# Altium PCB host_board.PcbDoc (part 5 of 8)
Units mm, origin at the board's own origin, x right, y up, seen from the top; angles counter-clockwise.
Board outline 87.41 x 55.77 mm, 4 copper layers (Top Layer, GND, Power, Bottom Layer), stack 1.59 mm thick; 232 components, 252 nets, 1101 pads, 689 vias.
Unrouted connection lines stored in the file: 17.
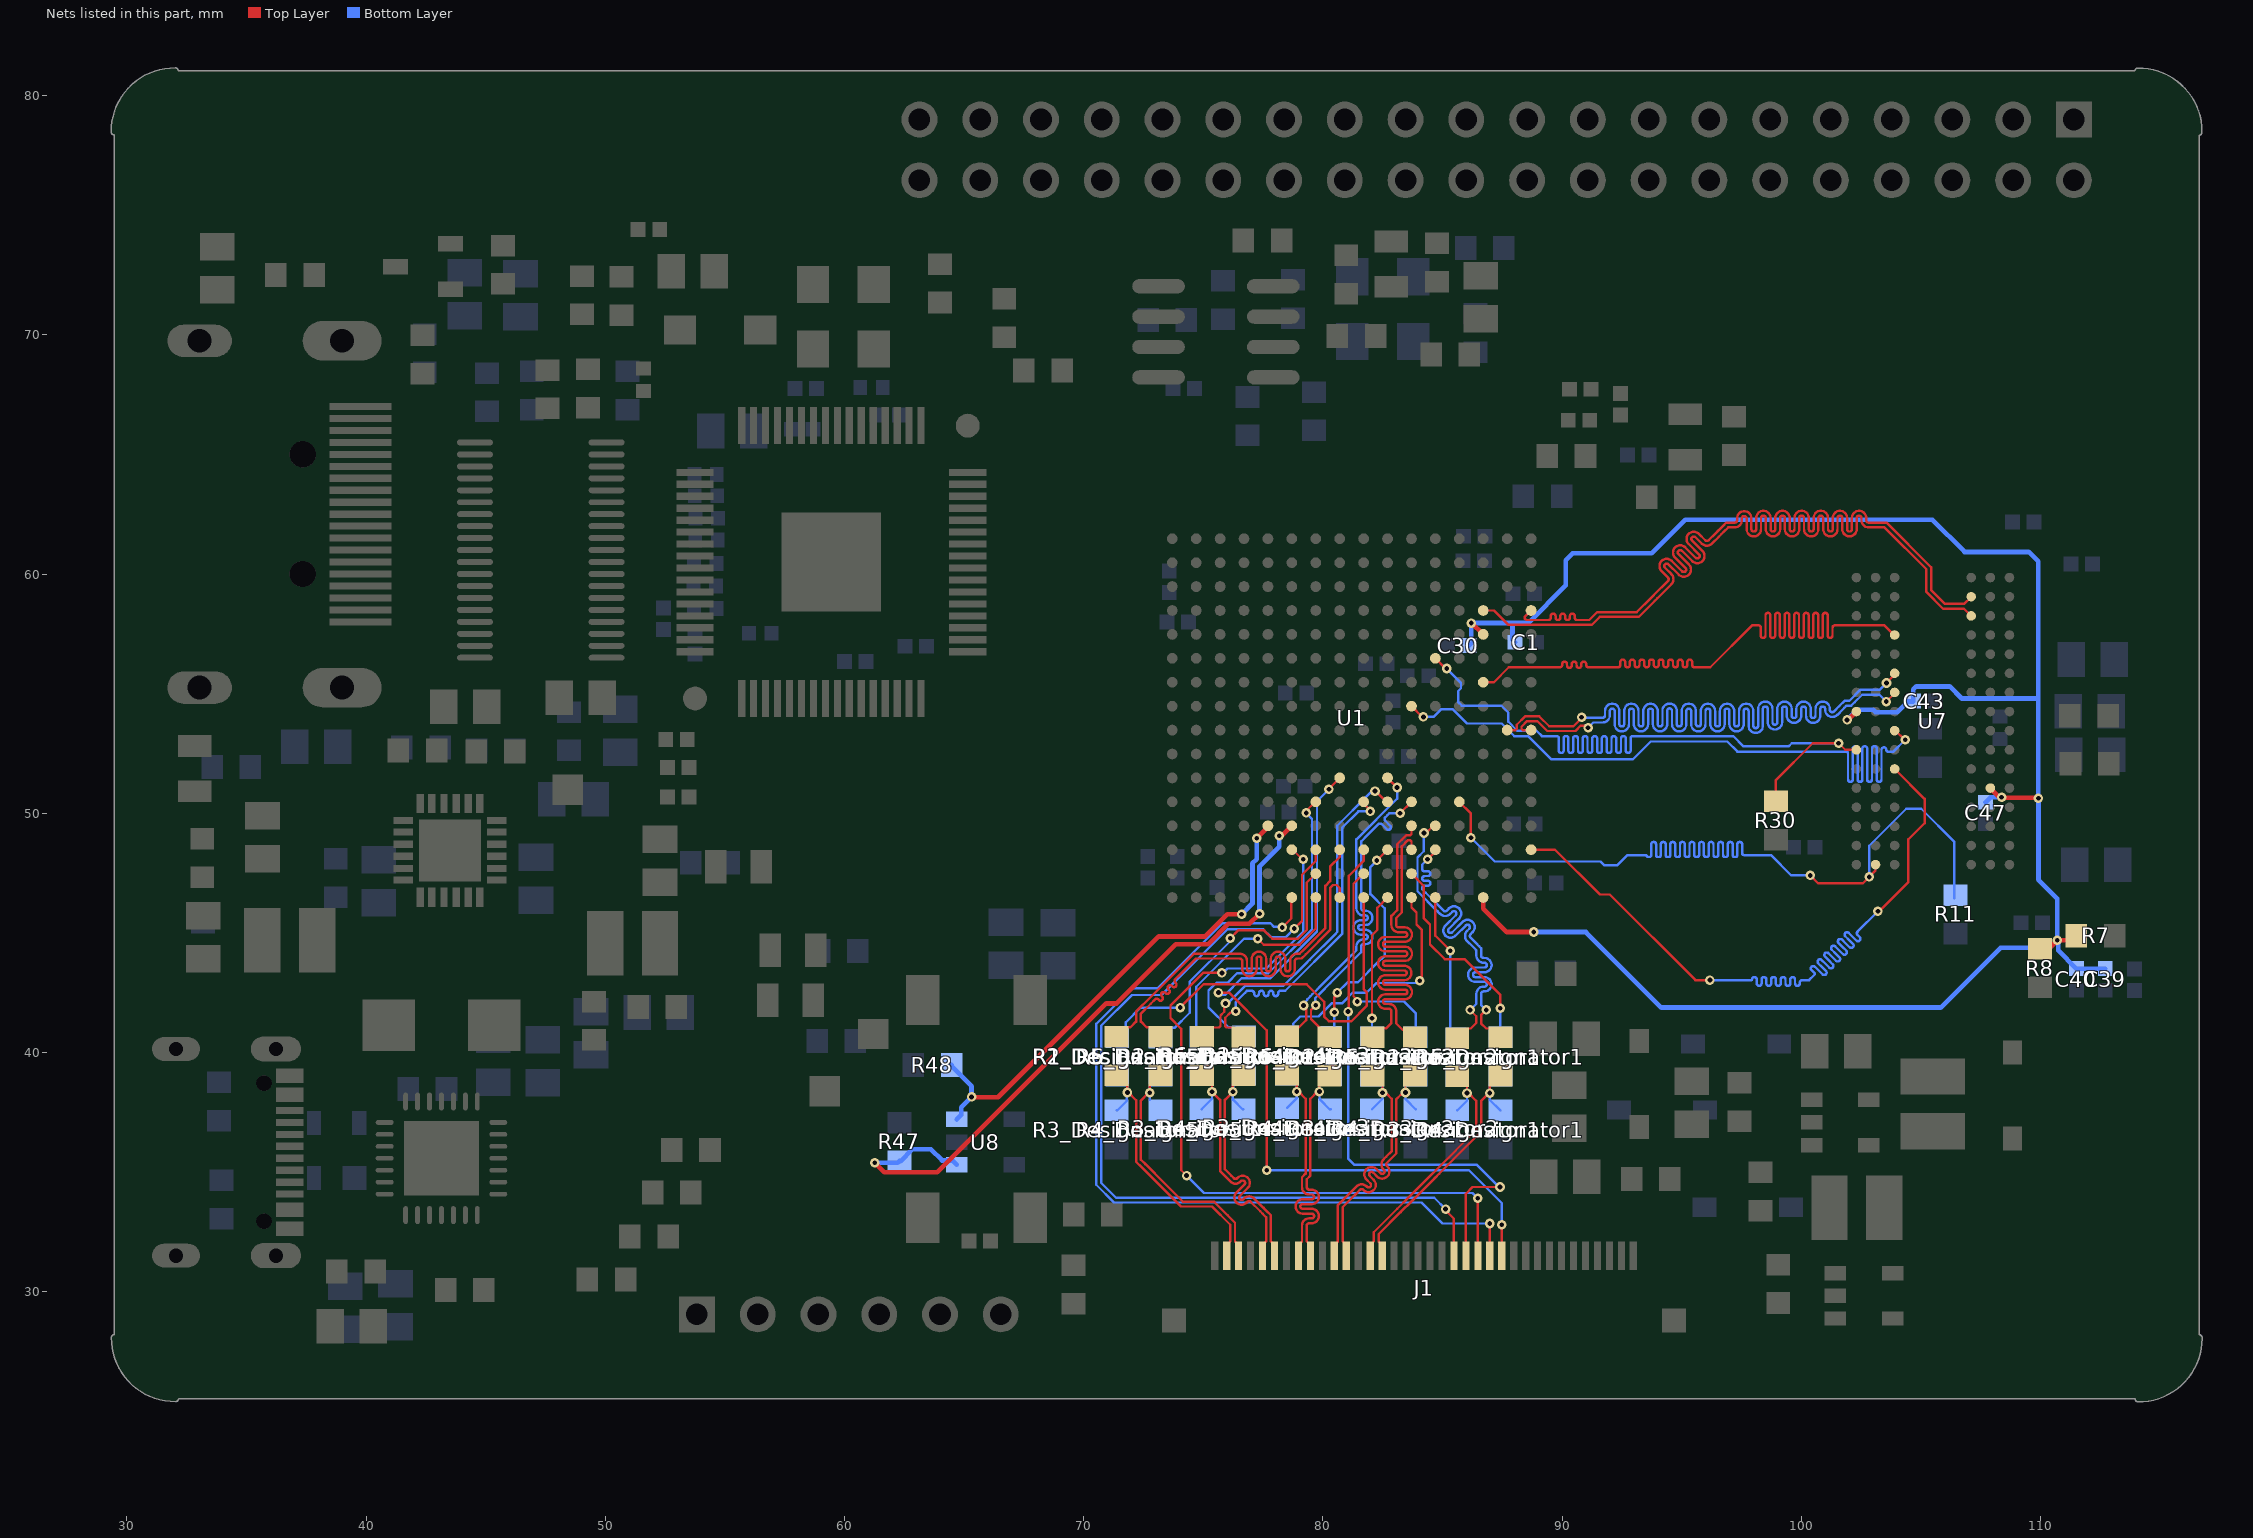
[diagram p7: the nets of this part, all layers, seen from the top]

## Via types
v1: diameter 0.4, hole 0.2, Top Layer to Bottom Layer, tented both sides, 664 vias
v2: diameter 0.5, hole 0.2, Top Layer to Bottom Layer, 9 vias
v3: diameter 0.4, hole 0.2, Top Layer to Bottom Layer, 7 vias
v4: diameter 0.4/0.4/0.4/0.4 (per signal layer), hole 0.2, Top Layer to Bottom Layer, tented both sides, 5 vias
v5: diameter 3, hole 3, Top Layer to Bottom Layer, tented both sides, 4 vias

## Nets (pads, with @x,y where several pads share a name; then routed paths per layer and width w, separated by ;. In a path a pad name is that pad's centre, name@x,y a point inside that pad or via, vN(x,y) a via of type N, cw(c..) or ccw(c..) an arc to the next point about the centre after c; other vN are vias at no path point) (continued)
DDR_DM1: U1.K3 U7.D3 | length 37.6
  Top Layer w0.1: U1.K3@86.7,55.475 87.145,55.475 87.77,56.1 88.545,56.1 89.85,56.1 89.9,56.1 ccw(c89.9,56.2) 90,56.2 90,56.236 cw(c90.1,56.236) 90.2,56.236 90.2,56.175 ccw(c90.3,56.175) 90.4,56.175 90.4,56.236 cw(c90.5,56.236) 90.6,56.236 90.6,56.175 ccw(c90.7,56.175) 90.8,56.175 90.8,56.236 cw(c90.9,56.236) 91,56.236 91,56.2 ccw(c91.1,56.2) 91.1,56.1 91.3,56.1 92.333,56.1 ccw(c92.333,56.2) 92.433,56.2 92.433,56.325 cw(c92.533,56.325) 92.533,56.425 cw(c92.533,56.325) 92.633,56.325 92.633,56.2 ccw(c92.733,56.2) 92.733,56.1 ccw(c92.733,56.2) 92.833,56.2 92.833,56.325 cw(c92.933,56.325) 92.933,56.425 cw(c92.933,56.325) 93.033,56.325 93.033,56.2 ccw(c93.133,56.2) 93.133,56.1 ccw(c93.133,56.2) 93.233,56.2 93.233,56.325 cw(c93.333,56.325) 93.333,56.425 cw(c93.333,56.325) 93.433,56.325 93.433,56.2 ccw(c93.533,56.2) 93.533,56.1 ccw(c93.533,56.2) 93.633,56.2 93.633,56.325 cw(c93.733,56.325) 93.733,56.425 cw(c93.733,56.325) 93.833,56.325 93.833,56.2 ccw(c93.933,56.2) 93.933,56.1 ccw(c93.933,56.2) 94.033,56.2 94.033,56.325 cw(c94.133,56.325) 94.133,56.425 cw(c94.133,56.325) 94.233,56.325 94.233,56.2 ccw(c94.333,56.2) 94.333,56.1 ccw(c94.333,56.2) 94.433,56.2 94.433,56.325 cw(c94.533,56.325) 94.533,56.425 cw(c94.533,56.325) 94.633,56.325 94.633,56.2 ccw(c94.733,56.2) 94.733,56.1 ccw(c94.733,56.2) 94.833,56.2 94.833,56.325 cw(c94.933,56.325) 94.933,56.425 cw(c94.933,56.325) 95.033,56.325 95.033,56.2 ccw(c95.133,56.2) 95.133,56.1 ccw(c95.133,56.2) 95.233,56.2 95.233,56.325 cw(c95.333,56.325) 95.333,56.425 cw(c95.333,56.325) 95.433,56.325 95.433,56.2 ccw(c95.533,56.2) 95.533,56.1 95.633,56.1 95.825,56.1 96.188,56.1 97.938,57.85 98.031,57.85 ; 98.031,57.85 98.225,57.85 ; 98.225,57.85 cw(c98.225,57.775) 98.3,57.775 98.3,57.425 ccw(c98.4,57.425) 98.4,57.325 ccw(c98.4,57.425) 98.5,57.425 98.5,57.85 98.5,58.275 cw(c98.6,58.275) 98.6,58.375 cw(c98.6,58.275) 98.7,58.275 98.7,57.85 98.7,57.425 ccw(c98.8,57.425) 98.8,57.325 ccw(c98.8,57.425) 98.9,57.425 98.9,57.85 98.9,58.275 cw(c99,58.275) 99,58.375 cw(c99,58.275) 99.1,58.275 99.1,57.85 99.1,57.425 ccw(c99.2,57.425) 99.2,57.325 ccw(c99.2,57.425) 99.3,57.425 99.3,57.85 99.3,58.275 cw(c99.4,58.275) 99.4,58.375 cw(c99.4,58.275) 99.5,58.275 99.5,57.85 99.5,57.425 ccw(c99.6,57.425) 99.6,57.325 ccw(c99.6,57.425) 99.7,57.425 99.7,57.85 99.7,58.275 cw(c99.8,58.275) 99.8,58.375 cw(c99.8,58.275) 99.9,58.275 99.9,57.85 99.9,57.425 ccw(c100,57.425) 100,57.325 ccw(c100,57.425) 100.1,57.425 100.1,57.85 100.1,58.275 cw(c100.2,58.275) 100.2,58.375 cw(c100.2,58.275) 100.3,58.275 100.3,57.85 100.3,57.425 ccw(c100.4,57.425) 100.4,57.325 ccw(c100.4,57.425) 100.5,57.425 100.5,57.85 100.5,58.275 cw(c100.6,58.275) 100.6,58.375 cw(c100.6,58.275) 100.7,58.275 100.7,57.85 100.7,57.425 ccw(c100.8,57.425) 100.8,57.325 ccw(c100.8,57.425) 100.9,57.425 100.9,57.85 100.9,58.275 cw(c101,58.275) 101,58.375 cw(c101,58.275) 101.1,58.275 101.1,57.85 101.1,57.425 ccw(c101.2,57.425) 101.2,57.325 ccw(c101.2,57.425) 101.3,57.425 101.3,57.75 cw(c101.4,57.75) 101.4,57.85 103.475,57.85 103.875,57.45 U7.D3@103.9,57.45
DDR_LDQS_N: U1.H1 U7.G3 | length 34.3
  Top Layer w0.1: U1.H1@88.7,53.475 88.359,53.475 88.3,53.534 88.3,53.616 88.534,53.85 88.959,53.85 89.374,53.435 90.555,53.435 90.78,53.66 90.955,53.66 91.04,53.575 v1(91.082,53.575) ; v1(103.55,54.666) 103.9,55.016 U7.G3@103.9,55.05
  Bottom Layer w0.1: v1(91.082,53.575) 91.301,53.793 91.542,53.793 91.692,53.793 ccw(c91.692,54.093) 91.992,54.093 91.992,54.275 cw(c92.092,54.275) 92.192,54.275 92.192,53.725 ccw(c92.492,53.725) 92.792,53.725 92.792,54.275 cw(c92.892,54.275) 92.992,54.275 92.992,53.725 ccw(c93.292,53.725) 93.592,53.725 93.592,54.275 cw(c93.692,54.275) 93.792,54.275 93.792,53.725 ccw(c94.092,53.725) 94.392,53.725 94.392,54.283 cw(c94.492,54.283) 94.592,54.283 94.592,53.725 ccw(c94.892,53.725) 95.192,53.725 95.192,54.275 cw(c95.292,54.275) 95.392,54.275 95.392,53.725 ccw(c95.692,53.725) 95.992,53.725 95.992,54.275 cw(c96.092,54.275) 96.192,54.275 96.192,53.725 ccw(c96.492,53.725) 96.792,53.725 96.792,54.275 cw(c96.892,54.275) 96.992,54.275 96.992,53.725 ccw(c97.292,53.725) 97.592,53.725 97.592,54.275 cw(c97.692,54.275) 97.792,54.275 97.792,53.656 ccw(c98.092,53.656) 98.392,53.656 98.392,54.361 cw(c98.492,54.361) 98.592,54.361 98.592,53.8 ccw(c98.892,53.8) 99.192,53.8 99.192,54.361 cw(c99.292,54.361) 99.392,54.361 99.392,54.078 ccw(c99.692,54.078) 99.992,54.078 99.992,54.361 cw(c100.092,54.361) 100.192,54.361 100.192,54.078 ccw(c100.492,54.078) 100.792,54.078 100.792,54.361 cw(c100.892,54.361) 100.992,54.361 100.992,54.324 ccw(c101.292,54.324) 101.505,54.112 101.72,54.327 ; 101.721,54.328 101.8,54.407 101.893,54.5 102.088,54.5 102.233,54.645 102.542,54.955 103.1,54.955 103.265,54.955 103.55,54.67 v1(103.55,54.666)
DDR_LDQS_P: U1.H2 U7.F3 | length 34.5
  Top Layer w0.1: U1.H2@87.7,53.475 88.041,53.475 88.1,53.534 88.1,53.699 88.451,54.05 89.042,54.05 89.457,53.635 90.472,53.635 90.798,53.96 v1@90.81,53.96 ; v1(90.81,54.01) v1@90.811,54.008 ; v1@103.55,55.45 103.9,55.8 U7.F3@103.9,55.85
  Bottom Layer w0.1: v1(90.81,54.01) 90.826,53.993 91.542,53.993 91.692,53.993 ccw(c91.692,54.093) 91.792,54.093 91.792,54.275 cw(c92.092,54.275) 92.392,54.275 92.392,53.725 ccw(c92.492,53.725) 92.592,53.725 92.592,54.275 cw(c92.892,54.275) 93.192,54.275 93.192,53.725 ccw(c93.292,53.725) 93.392,53.725 93.392,54.275 cw(c93.692,54.275) 93.992,54.275 93.992,53.725 ccw(c94.092,53.725) 94.192,53.725 94.192,54.283 cw(c94.492,54.283) 94.792,54.283 94.792,53.725 ccw(c94.892,53.725) 94.992,53.725 94.992,54.275 cw(c95.292,54.275) 95.592,54.275 95.592,53.725 ccw(c95.692,53.725) 95.792,53.725 95.792,54.275 cw(c96.092,54.275) 96.392,54.275 96.392,53.725 ccw(c96.492,53.725) 96.592,53.725 96.592,54.275 cw(c96.892,54.275) 97.192,54.275 97.192,53.725 ccw(c97.292,53.725) 97.392,53.725 97.392,54.275 cw(c97.692,54.275) 97.992,54.275 97.992,53.656 ccw(c98.092,53.656) 98.192,53.656 98.192,54.361 cw(c98.492,54.361) 98.792,54.361 98.792,53.8 ccw(c98.892,53.8) 98.992,53.8 98.992,54.361 cw(c99.292,54.361) 99.592,54.361 99.592,54.078 ccw(c99.692,54.078) 99.792,54.078 99.792,54.361 cw(c100.092,54.361) 100.392,54.361 100.392,54.078 ccw(c100.492,54.078) 100.592,54.078 100.592,54.361 cw(c100.892,54.361) 101.192,54.361 101.192,54.324 ccw(c101.292,54.324) 101.363,54.253 101.579,54.469 ; 101.579,54.469 101.8,54.69 101.81,54.7 102.005,54.7 102.455,55.15 102.46,55.155 103.16,55.155 103.265,55.155 103.554,55.443 v1(103.557,55.443)
DDR_ODT: R30.2 U1.L5 U7.K1 | length 34.3
  Top Layer w0.1: U1.L5@84.7,56.475 85.125,56.05 v1(85.171,56.05) ; R30.2@98.933,50.496 98.933,51.383 100.478,52.928 v1(101.555,52.928) 101.833,52.65 U7.K1@102.3,52.65
  Bottom Layer w0.1: v1(85.171,56.05) 85.771,55.45 85.771,55.221 85.65,55.1 85.65,54.65 85.8,54.5 87.45,54.5 87.75,54.2 87.75,53.825 88.125,53.45 88.925,53.45 89.15,53.225 89.56,53.225 89.66,53.225 89.76,53.225 cw(c89.76,53.125) 89.86,53.125 89.86,52.617 ccw(c89.96,52.617) 89.96,52.517 ccw(c89.96,52.617) 90.06,52.617 90.06,53.125 cw(c90.16,53.125) 90.16,53.225 cw(c90.16,53.125) 90.26,53.125 90.26,52.617 ccw(c90.36,52.617) 90.36,52.517 ccw(c90.36,52.617) 90.46,52.617 90.46,53.125 cw(c90.56,53.125) 90.56,53.225 cw(c90.56,53.125) 90.66,53.125 90.66,52.617 ccw(c90.76,52.617) 90.76,52.517 ccw(c90.76,52.617) 90.86,52.617 90.86,53.125 cw(c90.96,53.125) 90.96,53.225 cw(c90.96,53.125) 91.06,53.125 91.06,52.617 ccw(c91.16,52.617) 91.16,52.517 ccw(c91.16,52.617) 91.26,52.617 91.26,53.125 cw(c91.36,53.125) 91.36,53.225 cw(c91.36,53.125) 91.46,53.125 91.46,52.617 ccw(c91.56,52.617) 91.56,52.517 ccw(c91.56,52.617) 91.66,52.617 91.66,53.125 cw(c91.76,53.125) 91.76,53.225 cw(c91.76,53.125) 91.86,53.125 91.86,52.617 ccw(c91.96,52.617) 91.96,52.517 ccw(c91.96,52.617) 92.06,52.617 92.06,53.125 cw(c92.16,53.125) 92.16,53.225 cw(c92.16,53.125) 92.26,53.125 92.26,52.617 ccw(c92.36,52.617) 92.36,52.517 ccw(c92.36,52.617) 92.46,52.617 92.46,53.125 cw(c92.56,53.125) 92.56,53.225 cw(c92.56,53.125) 92.66,53.125 92.66,52.617 ccw(c92.76,52.617) 92.76,52.517 ccw(c92.76,52.617) 92.86,52.617 92.86,53.125 cw(c92.96,53.125) 92.96,53.225 93.25,53.225 97.15,53.225 97.583,52.792 99.461,52.792 99.596,52.928 v1(101.555,52.928)
DDR_RAS: U1.J6 U7.J3 | length 34.2
  Top Layer w0.1: U1.J6@83.7,54.475 84.15,54.025 v1(84.2,54.025) ; U7.J3@103.9,53.45 103.935,53.45 104.31,53.075 v1(104.345,53.075)
  Bottom Layer w0.1: v1(84.2,54.025) 84.625,54.025 84.95,54.35 85.421,54.35 86.021,53.75 87.475,53.75 88,53.225 88.575,53.225 89.55,52.25 92.951,52.25 93.7,52.998 96.9,52.998 97.323,52.575 101.875,52.575 cw(c101.875,52.5) 101.95,52.5 101.95,51.41 ccw(c102.05,51.41) 102.05,51.31 ccw(c102.05,51.41) 102.15,51.41 102.15,52.575 102.15,52.7 cw(c102.25,52.7) 102.25,52.8 cw(c102.25,52.7) 102.35,52.7 102.35,52.575 102.35,51.41 ccw(c102.45,51.41) 102.45,51.31 ccw(c102.45,51.41) 102.55,51.41 102.55,52.575 102.55,52.7 cw(c102.65,52.7) 102.65,52.8 cw(c102.65,52.7) 102.75,52.7 102.75,52.575 102.75,51.41 ccw(c102.85,51.41) 102.85,51.31 ccw(c102.85,51.41) 102.95,51.41 102.95,52.575 102.95,52.7 cw(c103.05,52.7) 103.05,52.8 cw(c103.05,52.7) 103.15,52.7 103.15,52.575 103.15,51.41 ccw(c103.25,51.41) 103.25,51.31 ccw(c103.25,51.41) 103.35,51.41 103.35,52.575 103.35,52.652 cw(c103.45,52.652) 103.45,52.752 cw(c103.45,52.652) 103.55,52.652 ccw(c103.627,52.652) 103.627,52.575 103.75,52.575 103.85,52.575 104.345,53.07 v1(104.345,53.075)
DDR_RESETN: R11.2 U1.E4 U7.T2 | length 39.7
  Top Layer w0.1: U1.E4@85.7,50.475 86.186,49.989 v1(86.186,48.975) ; v1(100.375,47.4) 100.7,47.075 102.575,47.075 v1(102.838,47.338) 103.1,47.6 U7.T2@103.1,47.85
  Bottom Layer w0.1: v1(86.186,48.975) 87.181,47.98 91.603,47.98 91.753,47.83 92.312,47.83 92.732,48.25 93.225,48.25 93.325,48.25 93.525,48.25 ccw(c93.605,48.25) 93.605,48.17 93.645,48.17 ccw(c93.645,48.25) 93.725,48.25 93.725,48.7 cw(c93.825,48.7) 93.825,48.8 cw(c93.825,48.7) 93.925,48.7 93.925,48.25 ccw(c94.005,48.25) 94.005,48.17 94.045,48.17 ccw(c94.045,48.25) 94.125,48.25 94.125,48.7 cw(c94.225,48.7) 94.225,48.8 cw(c94.225,48.7) 94.325,48.7 94.325,48.25 ccw(c94.405,48.25) 94.405,48.17 94.445,48.17 ccw(c94.445,48.25) 94.525,48.25 94.525,48.7 cw(c94.625,48.7) 94.625,48.8 cw(c94.625,48.7) 94.725,48.7 94.725,48.25 ccw(c94.805,48.25) 94.805,48.17 94.845,48.17 ccw(c94.845,48.25) 94.925,48.25 94.925,48.7 cw(c95.025,48.7) 95.025,48.8 cw(c95.025,48.7) 95.125,48.7 95.125,48.25 ccw(c95.205,48.25) 95.205,48.17 95.245,48.17 ccw(c95.245,48.25) 95.325,48.25 95.325,48.7 cw(c95.425,48.7) 95.425,48.8 cw(c95.425,48.7) 95.525,48.7 95.525,48.25 ccw(c95.605,48.25) 95.605,48.17 95.645,48.17 ccw(c95.645,48.25) 95.725,48.25 95.725,48.7 cw(c95.825,48.7) 95.825,48.8 cw(c95.825,48.7) 95.925,48.7 95.925,48.25 ccw(c96.005,48.25) 96.005,48.17 96.045,48.17 ccw(c96.045,48.25) 96.125,48.25 96.125,48.7 cw(c96.225,48.7) 96.225,48.8 cw(c96.225,48.7) 96.325,48.7 96.325,48.25 ccw(c96.405,48.25) 96.405,48.17 96.445,48.17 ccw(c96.445,48.25) 96.525,48.25 96.525,48.7 cw(c96.625,48.7) 96.625,48.8 cw(c96.625,48.7) 96.725,48.7 96.725,48.25 ccw(c96.805,48.25) 96.805,48.17 96.845,48.17 ccw(c96.845,48.25) 96.925,48.25 96.925,48.7 cw(c97.025,48.7) 97.025,48.8 cw(c97.025,48.7) 97.125,48.7 97.125,48.25 ccw(c97.205,48.25) 97.205,48.17 97.245,48.17 ccw(c97.245,48.25) 97.325,48.25 97.325,48.7 cw(c97.425,48.7) 97.425,48.8 cw(c97.425,48.7) 97.525,48.7 97.525,48.325 ccw(c97.6,48.325) 97.6,48.25 98.725,48.25 99.575,47.4 v1(100.375,47.4) ; v1(102.838,47.338) 102.838,48.638 104.387,50.187 105.013,50.187 106.384,48.816 R11.2@106.384,46.45
DDR_UDQS_N: U1.N1 U7.B7 | length 37.5
  Top Layer w0.1: U1.N1@88.7,58.475 88.441,58.216 88.441,58.134 88.5,58.075 89.1,58.075 89.424,58.075 ccw(c89.424,58.175) 89.524,58.175 89.524,58.244 cw(c89.624,58.244) 89.724,58.244 89.724,58.175 ccw(c89.824,58.175) 89.924,58.175 89.924,58.244 cw(c90.024,58.244) 90.124,58.244 90.124,58.175 ccw(c90.224,58.175) 90.324,58.175 90.324,58.244 cw(c90.424,58.244) 90.524,58.244 90.524,58.175 ccw(c90.624,58.175) 90.624,58.075 90.874,58.075 91.132,58.075 91.464,58.406 93.116,58.406 93.733,59.023 93.839,59.129 ; 93.84,59.13 94.422,59.712 ; 94.422,59.712 ccw(c94.352,59.784) 94.422,59.855 94.157,60.12 cw(c94.368,60.333) 94.156,60.546 cw(c94.368,60.333) 94.546,60.575 94.551,60.575 94.58,60.546 cw(c94.368,60.333) 94.581,60.545 95.013,60.113 ccw(c95.084,60.184) 95.154,60.113 ; 95.154,60.256 cw(c95.084,60.184) 95.155,60.114 ; 95.154,60.256 94.723,60.687 cw(c94.934,60.9) 94.722,61.112 cw(c94.934,60.9) 95.112,61.141 95.117,61.141 95.146,61.112 cw(c94.934,60.9) 95.147,61.112 95.579,60.679 ccw(c95.65,60.75) 95.72,60.679 ; 95.721,60.68 ccw(c95.65,60.75) 95.72,60.822 95.289,61.253 cw(c95.5,61.466) 95.288,61.678 cw(c95.5,61.466) 95.679,61.707 95.683,61.707 95.712,61.679 cw(c95.5,61.466) 95.713,61.678 95.979,61.412 ccw(c96.05,61.482) 96.122,61.412 ; 96.122,61.412 96.404,61.694 ; 96.405,61.695 96.511,61.801 96.742,62.032 96.86,62.15 97.212,62.15 ccw(c97.212,62.25) 97.312,62.25 97.312,62.322 cw(c97.612,62.322) 97.912,62.322 97.912,61.875 ccw(c98.012,61.875) 98.112,61.875 98.112,62.343 cw(c98.412,62.343) 98.712,62.343 98.712,61.875 ccw(c98.812,61.875) 98.912,61.875 98.912,62.343 cw(c99.212,62.343) 99.512,62.343 99.512,61.875 ccw(c99.612,61.875) 99.712,61.875 99.712,62.343 cw(c100.012,62.343) 100.312,62.343 100.312,61.875 ccw(c100.412,61.875) 100.512,61.875 100.512,62.343 cw(c100.812,62.343) 101.111,62.343 101.111,61.875 ccw(c101.211,61.875) 101.311,61.875 101.311,62.343 cw(c101.611,62.343) 101.911,62.343 101.911,61.875 ccw(c102.011,61.875) 102.111,61.875 102.111,62.343 cw(c102.411,62.343) 102.711,62.343 102.711,62.25 ccw(c102.811,62.25) 102.811,62.15 103.362,62.15 103.557,62.15 105.424,60.283 105.424,59.334 106.008,58.75 106.8,58.75 U7.B7@107.1,59.05
DDR_UDQS_P: U1.N3 U7.C7 | length 38
  Top Layer w0.1: U1.N3@86.7,58.475 87.15,58.475 87.75,57.875 91.238,57.875 91.569,58.206 93.199,58.206 93.874,58.882 93.98,58.987 ; 93.981,58.988 94.563,59.571 ccw(c94.352,59.784) 94.563,59.996 94.297,60.263 cw(c94.368,60.333) 94.297,60.404 ; 94.298,60.405 cw(c94.368,60.333) 94.439,60.404 94.871,59.973 ; 94.863,60.97 ccw(c94.934,60.9) 94.863,60.829 95.295,60.397 cw(c95.084,60.184) 95.296,60.396 95.325,60.367 95.325,60.362 cw(c95.084,60.184) 95.296,59.972 cw(c95.084,60.184) 94.871,59.972 ; 94.864,60.971 cw(c94.934,60.9) 95.006,60.97 95.437,60.539 ccw(c95.65,60.75) 95.862,60.538 ccw(c95.65,60.75) 95.891,60.929 95.891,60.933 95.863,60.962 ; 95.429,61.536 ccw(c95.5,61.466) 95.429,61.396 95.862,60.963 ; 95.43,61.537 cw(c95.5,61.466) 95.572,61.536 ; 95.572,61.536 95.837,61.271 ccw(c96.05,61.482) 96.263,61.27 96.545,61.553 ; 96.546,61.553 96.652,61.659 96.742,61.75 96.943,61.95 97.212,61.95 ccw(c97.212,62.25) 97.512,62.25 97.512,62.322 cw(c97.612,62.322) 97.712,62.322 97.712,61.875 ccw(c98.012,61.875) 98.312,61.875 98.312,62.343 cw(c98.412,62.343) 98.512,62.343 98.512,61.875 ccw(c98.812,61.875) 99.112,61.875 99.112,62.343 cw(c99.212,62.343) 99.312,62.343 99.312,61.875 ccw(c99.612,61.875) 99.912,61.875 99.912,62.343 cw(c100.012,62.343) 100.112,62.343 100.112,61.875 ccw(c100.412,61.875) 100.712,61.875 100.712,62.343 cw(c100.812,62.343) 100.911,62.343 100.911,61.875 ccw(c101.211,61.875) 101.511,61.875 101.511,62.343 cw(c101.611,62.343) 101.711,62.343 101.711,61.875 ccw(c102.011,61.875) 102.311,61.875 102.311,62.343 cw(c102.411,62.343) 102.511,62.343 102.511,62.25 ccw(c102.811,62.25) 102.811,61.95 103.362,61.95 103.474,61.95 105.224,60.2 105.224,59.251 105.925,58.55 106.8,58.55 U7.C7@107.1,58.25 ; 95.863,60.962 ccw(c95.65,60.75) 95.862,60.963
DDR_VREF: C1.2 C30.1 C39.1 C40.2 C43.2 C47.2 R7.1 R8.2 U1.A3 U1.M3 U7.H1 U7.M8 | length 90
  Top Layer w0.2: v1(86.2,57.95) 86.225,57.95 U1.M3@86.7,57.475 ; U1.A3@86.7,46.475 86.7,46.015 87.682,45.033 v1(88.81,45.033) ; v1(101.911,53.9) 101.95,53.9 U7.H1@102.3,54.25 ; U7.M8@107.9,51.05 108.3,50.65 109.89,50.65 v1(109.91,50.63) ; R8.2@109.975,44.327 110.338,44.327 v1(110.7,44.689) 111.312,44.689 R7.1@111.5,44.877
  Bottom Layer w0.2: C30.1@86.1,57.009 86.2,57.109 v1(86.2,57.95) 87.925,57.95 ; C1.2@88.025,57.15 87.925,57.25 87.925,57.95 ; v1(88.81,45.033) 90.992,45.033 94.15,41.875 105.825,41.875 108.325,44.375 110.386,44.375 v1(110.7,44.689) ; v1(101.911,53.9) 102.336,54.325 103,54.325 103.1,54.225 103.999,54.225 104.44,54.666 104.675,54.666 104.675,55.175 104.8,55.3 106.204,55.3 106.714,54.79 109.9,54.79 ; C47.2@107.7,50.461 107.909,50.67 v1(108.37,50.67) ; C39.1@112.7,43.502 C40.2@111.5,43.502 110.738,44.264 110.738,44.651 v1(110.7,44.689) ; 87.925,57.95 88.575,57.95 90.15,59.525 90.15,60.579 90.437,60.866 93.741,60.866 95.145,62.27 105.48,62.27 106.825,60.925 109.5,60.925 109.9,60.525 109.9,54.79 ; 109.9,54.79 109.9,50.64 v1(109.91,50.63) 109.91,47.22 110.7,46.43 v1(110.7,44.689)
DDR_WE: U1.C1 U7.L3 | length 34.7
  Top Layer w0.1: U1.C1@88.7,48.475 89.7,48.475 91.575,46.6 91.992,46.6 95.567,43.025 v1(96.175,43.025) ; v1(103.2,45.9) 103.225,45.875 104.475,47.125 104.475,48.909 105.15,49.584 105.15,50.6 U7.L3@103.9,51.85
  Bottom Layer w0.1: v1(96.175,43.025) 97.835,43.025 97.91,43.025 ccw(c97.91,43.05) 97.935,43.05 cw(c98.035,43.05) 98.035,43.15 cw(c98.035,43.05) 98.135,43.05 98.135,43.025 98.135,42.884 ccw(c98.235,42.884) 98.235,42.784 ccw(c98.235,42.884) 98.335,42.884 98.335,43.025 98.335,43.05 cw(c98.435,43.05) 98.435,43.15 cw(c98.435,43.05) 98.535,43.05 98.535,43.025 98.535,42.884 ccw(c98.635,42.884) 98.635,42.784 ccw(c98.635,42.884) 98.735,42.884 98.735,43.025 98.735,43.05 cw(c98.835,43.05) 98.835,43.15 cw(c98.835,43.05) 98.935,43.05 98.935,43.025 98.935,42.884 ccw(c99.035,42.884) 99.035,42.784 ccw(c99.035,42.884) 99.135,42.884 99.135,43.025 99.135,43.05 cw(c99.235,43.05) 99.235,43.15 cw(c99.235,43.05) 99.335,43.05 99.335,43.025 99.335,42.884 ccw(c99.435,42.884) 99.435,42.784 ccw(c99.435,42.884) 99.535,42.884 99.535,43.025 99.535,43.05 cw(c99.635,43.05) 99.635,43.15 cw(c99.635,43.05) 99.735,43.05 99.735,43.025 99.735,42.884 ccw(c99.835,42.884) 99.835,42.784 ccw(c99.835,42.884) 99.935,42.884 99.935,42.925 cw(c100.035,42.925) 100.035,43.025 100.05,43.025 100.325,43.025 100.55,43.25 ccw(c100.518,43.282) 100.55,43.314 100.423,43.441 cw(c100.494,43.512) 100.423,43.583 cw(c100.494,43.512) 100.565,43.583 100.724,43.424 100.883,43.265 ccw(c100.953,43.335) 101.024,43.265 ccw(c100.953,43.335) 101.024,43.406 100.865,43.565 100.706,43.724 cw(c100.777,43.795) 100.706,43.866 cw(c100.777,43.795) 100.847,43.866 101.006,43.706 101.166,43.547 ccw(c101.236,43.618) 101.307,43.547 ccw(c101.236,43.618) 101.307,43.689 101.148,43.848 100.989,44.007 cw(c101.06,44.078) 100.989,44.148 cw(c101.06,44.078) 101.13,44.148 101.289,43.989 101.448,43.83 ccw(c101.519,43.901) 101.59,43.83 ccw(c101.519,43.901) 101.59,43.972 101.431,44.131 101.272,44.29 cw(c101.342,44.361) 101.272,44.431 cw(c101.342,44.361) 101.413,44.431 101.572,44.272 101.731,44.113 ccw(c101.802,44.184) 101.873,44.113 ccw(c101.802,44.184) 101.873,44.255 101.714,44.414 101.555,44.573 cw(c101.625,44.643) 101.555,44.714 cw(c101.625,44.643) 101.696,44.714 101.855,44.555 102.014,44.396 ccw(c102.085,44.467) 102.156,44.396 ccw(c102.085,44.467) 102.156,44.537 101.996,44.696 101.837,44.856 cw(c101.908,44.926) 101.837,44.997 cw(c101.908,44.926) 101.979,44.997 102.138,44.838 102.297,44.679 ccw(c102.368,44.749) 102.438,44.679 ccw(c102.368,44.749) 102.438,44.82 102.35,44.909 cw(c102.421,44.979) 102.35,45.05 v1(103.2,45.9)
DPHY_0_N: J1.3 R4_Designator5.1 R5_Designator5.2 R6_Designator5.2 | length 11.6
  Top Layer w0.1: R5_Designator5.2@73.2,39.05 73.155,39.05 72.755,38.65 v1(72.755,38.313) 72.713,38.313 72.39,37.99 72.39,37.76 72.39,37.51 72.39,35.514 72.575,35.33 73.385,34.52 73.574,34.33 74.147,33.758 75.448,33.758 76.015,33.191 76.085,33.121 76.325,32.881 76.325,32.1 76.475,31.95 J1.3@76.475,31.5
  Bottom Layer w0.1: R4_Designator5.1@72.755,38.02 v1(72.755,38.313) 72.755,38.555 R6_Designator5.2@73.225,39.025
DPHY_0_P: J1.2 R1_Designator5.1 R2_Designator5.2 R3_Designator5.2 | length 12.2
  Top Layer w0.1: R2_Designator5.2@71.375,39.05 71.425,39.05 71.825,38.65 v1(71.825,38.325) 71.865,38.325 72.19,38 72.19,37.71 72.19,37.425 72.19,35.431 72.433,35.188 73.243,34.378 73.433,34.189 74.064,33.558 75.365,33.558 76.125,32.798 76.125,32.1 75.975,31.95 J1.2@75.975,31.5
  Bottom Layer w0.1: R3_Designator5.2@71.375,37.575 71.399,37.575 71.799,37.975 71.799,38.325 71.825,38.351 71.825,38.625 71.425,39.025 R1_Designator5.1@71.4,39.025
DPHY_1_N: J1.6 R4_Designator4.1 R5_Designator4.2 R6_Designator4.2 | length 11.9
  Top Layer w0.1: 76.416,34.744 cw(c76.345,34.814) 76.274,34.744 76.168,34.85 75.899,35.119 75.899,37.51 75.899,37.79 75.899,38.015 v1(76.236,38.351) 76.236,38.64 76.636,39.04 R5_Designator4.2@76.675,39.04 ; 76.416,34.744 76.431,34.759 cw(c76.644,34.548) 76.856,34.76 cw(c76.644,34.548) 76.856,34.335 76.526,34.005 ccw(c76.597,33.935) 76.526,33.865 ; 76.527,33.864 ccw(c76.597,33.935) 76.669,33.865 76.698,33.894 cw(c76.911,33.683) 77.123,33.894 77.518,33.5 ; 77.519,33.499 77.624,33.393 77.824,33.193 ; 77.825,33.193 77.825,32.1 77.975,31.95 J1.6@77.975,31.5
  Bottom Layer w0.1: R4_Designator4.1@76.675,37.625 76.636,37.625 76.236,38.025 76.236,38.262 76.325,38.351 76.253,38.424 76.253,38.675 76.653,39.075 R6_Designator4.2@76.7,39.075
DPHY_1_P: J1.5 R1_Designator4.1 R2_Designator4.2 R3_Designator4.2 | length 11.7
  Top Layer w0.1: R2_Designator4.2@74.95,39.05 74.962,39.05 75.362,38.65 v1(75.362,38.351) 75.699,38.015 75.699,37.85 75.699,37.51 75.699,37.425 75.699,35.036 76.027,34.708 76.132,34.603 ccw(c76.345,34.814) 76.558,34.603 76.574,34.619 cw(c76.644,34.548) 76.714,34.619 ; 76.386,34.148 ccw(c76.597,33.935) 76.385,33.723 ccw(c76.597,33.935) 76.81,33.724 76.839,33.753 ; 76.386,34.148 76.714,34.476 ccw(c76.644,34.548) 76.715,34.618 ; 76.84,33.753 cw(c76.911,33.683) 76.982,33.753 77.377,33.358 ; 77.377,33.358 77.483,33.252 77.625,33.11 77.625,32.1 77.475,31.95 J1.5@77.475,31.5
  Bottom Layer w0.1: R3_Designator4.2@74.925,37.625 75.362,38.062 v1(75.362,38.351) 75.362,38.613 R1_Designator4.1@74.925,39.05
DPHY_2_N: J1.9 R4_Designator3.1 R5_Designator3.2 R6_Designator3.2 | length 11.8
  Top Layer w0.1: J1.9@79.475,31.5 79.475,31.95 79.325,32.1 79.325,32.355 79.325,32.761 cw(c79.425,32.761) 79.425,32.861 79.529,32.861 ccw(c79.529,33.161) 79.529,33.461 79.154,33.461 cw(c79.154,33.561) 79.154,33.661 79.529,33.661 ccw(c79.529,33.961) 79.529,34.261 79.425,34.261 cw(c79.425,34.361) 79.325,34.361 79.325,34.511 79.325,34.701 79.475,34.851 79.475,37.5 79.475,37.81 79.475,38.065 79.772,38.362 v1(79.85,38.362) 79.85,38.625 80.25,39.025 R5_Designator3.2@80.275,39.025
  Bottom Layer w0.1: R6_Designator3.2@80.3,39.05 80.25,39.05 79.85,38.65 v1(79.85,38.362) 79.854,38.359 79.854,38.096 79.875,38.075 79.875,38.025 80.275,37.625 R4_Designator3.1@80.325,37.625
DPHY_2_P: J1.8 R1_Designator3.1 R2_Designator3.2 R3_Designator3.2 | length 11.7
  Top Layer w0.1: R2_Designator3.2@78.5,39.075 78.9,38.675 v1(78.9,38.362) 78.975,38.362 79.275,38.062 79.275,37.87 79.275,37.57 79.275,34.934 79.125,34.784 79.125,34.511 79.125,34.361 ccw(c79.425,34.361) 79.425,34.061 79.529,34.061 cw(c79.529,33.961) 79.529,33.861 79.154,33.861 ccw(c79.154,33.561) 79.154,33.261 79.529,33.261 cw(c79.529,33.161) 79.529,33.061 79.425,33.061 ccw(c79.425,32.761) 79.125,32.761 79.125,32.355 79.125,32.1 78.975,31.95 J1.8@78.975,31.5
  Bottom Layer w0.1: R3_Designator3.2@78.495,37.675 78.5,37.675 78.9,38.075 v1(78.9,38.362) 78.9,38.675 R1_Designator3.1@78.5,39.075
DPHY_3_N: J1.12 R4_Designator2.1 R5_Designator2.2 R6_Designator2.2 | length 12.1
  Top Layer w0.1: J1.12@80.975,31.5 80.975,31.95 80.825,32.1 80.825,33.538 81.248,33.961 81.353,34.067 ; 81.354,34.067 81.544,34.257 cw(c81.615,34.187) 81.687,34.258 81.697,34.247 ccw(c81.91,34.459) 82.122,34.246 ccw(c81.91,34.459) 82.121,34.671 81.959,34.834 ; 81.958,34.834 cw(c82.029,34.905) 81.958,34.976 cw(c82.029,34.905) 82.099,34.976 ; 82.1,34.975 82.263,34.813 ccw(c82.475,35.024) 82.688,34.812 ccw(c82.475,35.024) 82.687,35.237 82.677,35.247 cw(c82.747,35.319) 82.676,35.389 ; 82.677,35.39 82.782,35.495 83.069,35.782 83.069,37.14 83.069,37.82 83.069,38.047 83.251,38.229 83.273,38.229 83.369,38.325 v1(83.45,38.325) 83.45,38.625 R5_Designator2.2@83.85,39.025
  Bottom Layer w0.1: R4_Designator2.1@83.875,37.625 83.45,38.05 v1(83.45,38.325) 83.45,38.6 R6_Designator2.2@83.875,39.025
DPHY_3_P: J1.11 R1_Designator2.1 R2_Designator2.2 R3_Designator2.2 | length 12.1
  Top Layer w0.1: J1.11@80.475,31.5 80.475,31.95 80.625,32.1 80.625,33.621 81.106,34.102 81.212,34.208 ; 81.213,34.209 81.403,34.399 cw(c81.615,34.187) 81.828,34.399 81.838,34.388 ; 81.839,34.388 ccw(c81.91,34.459) 81.98,34.388 ; 81.98,34.53 81.817,34.693 cw(c82.029,34.905) 81.817,35.117 cw(c82.029,34.905) 82.241,35.117 82.404,34.954 ccw(c82.475,35.024) 82.546,34.953 ; 81.981,34.388 ccw(c81.91,34.459) 81.98,34.529 ; R2_Designator2.2@82.075,39.025 82.088,39.025 82.488,38.625 v1(82.488,38.313) 82.545,38.255 82.675,38.255 82.869,38.061 82.869,37.67 82.869,37.02 82.869,35.865 82.641,35.637 82.535,35.531 ccw(c82.747,35.319) 82.535,35.106 82.545,35.096 ; 82.546,34.954 ccw(c82.475,35.024) 82.546,35.095
  Bottom Layer w0.1: R3_Designator2.2@82.05,37.625 82.488,38.063 v1(82.488,38.313) 82.488,38.587 R1_Designator2.1@82.05,39.025
DPHY_4_N: J1.15 R4_Designator1.1 R5_Designator1.2 R6_Designator1.2 | length 11.6
  Top Layer w0.1: J1.15@82.475,31.5 82.475,31.95 82.325,32.1 82.325,32.399 83.248,33.322 83.72,33.794 84.681,34.755 84.86,34.934 86.61,36.684 86.61,37.21 86.61,37.66 86.61,37.976 86.934,38.3 v1(86.975,38.3) 86.975,38.625 87.375,39.025 R5_Designator1.2@87.415,39.025
  Bottom Layer w0.1: R4_Designator1.1@87.415,37.575 86.975,38.015 v1(86.975,38.3) 86.975,38.585 R6_Designator1.2@87.415,39.025
DPHY_4_P: J1.14 R1_Designator1.1 R2_Designator1.2 R3_Designator1.2 | length 11.5
  Top Layer w0.1: J1.14@81.975,31.5 81.975,31.95 82.125,32.1 82.125,32.482 83.107,33.463 83.578,33.935 84.539,34.896 84.719,35.076 86.41,36.767 86.41,37.19 86.41,37.67 86.41,37.976 86.086,38.3 v1(86.021,38.3) 86.021,38.6 85.621,39 R2_Designator1.2@85.615,39
  Bottom Layer w0.1: R3_Designator1.2@85.615,37.575 86.021,37.981 v1(86.021,38.3) 86.021,38.594 R1_Designator1.1@85.615,39
DPHY_HS0_N: R5_Designator5.1 U1.A9 | length 18.1
  Top Layer w0.1: R5_Designator5.1@73.2,40.65 72.8,41.05 72.625,41.05 72.387,41.288 72.387,41.625 72.8,42.038 72.977,42.214 cw(c73.047,42.144) 73.118,42.214 73.141,42.192 ccw(c73.212,42.262) 73.282,42.192 ccw(c73.212,42.262) 73.282,42.333 73.26,42.356 cw(c73.33,42.426) 73.26,42.497 cw(c73.33,42.426) 73.401,42.497 73.424,42.474 ccw(c73.495,42.545) 73.565,42.474 ccw(c73.495,42.545) 73.565,42.616 73.542,42.639 cw(c73.613,42.709) 73.542,42.78 cw(c73.613,42.709) 73.684,42.78 73.707,42.757 ccw(c73.777,42.828) 73.848,42.757 ccw(c73.777,42.828) 73.848,42.899 73.825,42.921 cw(c73.896,42.992) 73.825,43.063 74.001,43.238 74.687,43.925 75.975,43.925 76.525,43.925 cw(c76.525,43.825) 76.625,43.825 76.625,43.485 ccw(c76.925,43.485) 77.225,43.485 77.225,43.912 cw(c77.325,43.912) 77.425,43.912 77.425,43.485 ccw(c77.725,43.485) 78.025,43.485 78.025,43.912 cw(c78.125,43.912) 78.225,43.912 78.225,43.485 ccw(c78.525,43.485) 78.825,43.485 78.825,43.825 cw(c78.925,43.825) 78.925,43.925 79.108,43.925 79.289,44.106 80.3,45.117 80.3,46.875 80.425,47 80.575,47 80.7,46.875 U1.A9@80.7,46.475
DPHY_HS0_P: R2_Designator5.1 U1.C9 | length 18.1
  Top Layer w0.1: R2_Designator5.1@71.375,40.65 71.775,41.05 71.95,41.05 72.187,41.287 72.187,41.708 72.435,41.955 72.58,42.1 74.605,44.125 75.975,44.125 76.525,44.125 cw(c76.525,43.825) 76.825,43.825 76.825,43.485 ccw(c76.925,43.485) 77.025,43.485 77.025,43.912 cw(c77.325,43.912) 77.625,43.912 77.625,43.485 ccw(c77.725,43.485) 77.825,43.485 77.825,43.912 cw(c78.125,43.912) 78.425,43.912 78.425,43.485 ccw(c78.525,43.485) 78.625,43.485 78.625,43.825 cw(c78.925,43.825) 78.925,44.125 79.025,44.125 79.162,44.262 80.1,45.2 80.1,45.812 80.1,46.96 80.3,47.16 80.3,47.775 80.7,48.175 U1.C9@80.7,48.475
DPHY_HS1_N: R5_Designator4.1 U1.E8 | length 15
  Top Layer w0.1: v1(76.35,41.725) 76.293,41.668 76.132,41.668 75.915,41.45 75.915,41.099 75.973,41.04 76.275,41.04 R5_Designator4.1@76.675,40.64 ; U1.E8@81.7,50.475 81.7,50.412 81.975,50.137 v1(81.975,50.075)
  Bottom Layer w0.1: v1@76.35,41.775 76.35,42.1 76.75,42.5 76.821,42.571 76.825,42.575 76.925,42.575 77.025,42.575 cw(c77.025,42.475) 77.125,42.475 77.125,42.453 ccw(c77.225,42.453) 77.225,42.353 ccw(c77.225,42.453) 77.325,42.453 77.325,42.475 cw(c77.425,42.475) 77.425,42.575 cw(c77.425,42.475) 77.525,42.475 77.525,42.453 ccw(c77.625,42.453) 77.625,42.353 ccw(c77.625,42.453) 77.725,42.453 77.725,42.475 cw(c77.825,42.475) 77.825,42.575 cw(c77.825,42.475) 77.925,42.475 77.925,42.453 ccw(c78.025,42.453) 78.025,42.353 ccw(c78.025,42.453) 78.125,42.453 78.125,42.475 cw(c78.225,42.475) 78.225,42.575 78.25,42.575 78.425,42.575 80.8,44.95 80.8,49.395 81.48,50.075 v1(81.975,50.075)
DPHY_HS1_P: R2_Designator4.1 U1.E7 | length 15.1
  Top Layer w0.1: R2_Designator4.1@74.95,40.65 75.34,41.04 75.656,41.04 75.715,41.099 75.715,41.54 75.873,41.698 v1@75.873,42 ; v1(82.175,50.925) 82.2,50.925 82.65,50.475 U1.E7@82.7,50.475
  Bottom Layer w0.1: v1@75.971,42.004 76.742,42.775 78.342,42.775 79.291,43.724 79.444,43.876 80.524,44.956 80.6,45.033 80.6,49.478 81.84,50.718 81.99,50.868 82.118,50.868 v1(82.175,50.925)
  other v1: 75.925,42.05
DPHY_HS2_N: R5_Designator3.1 U1.E6 | length 14.3
  Top Layer w0.1: v1(79.7,41.975) 79.498,41.773 79.498,41.402 R5_Designator3.1@80.275,40.625 ; v1(83.225,50) U1.E6@83.7,50.475
  Bottom Layer w0.1: v1@79.7,42.1 79.688,42.1 79.674,42.114 79.674,42.266 79.899,42.491 80.303,42.895 81.162,43.754 81.599,44.191 81.599,44.427 cw(c81.699,44.427) 81.699,44.527 81.768,44.527 ccw(c81.768,44.827) 81.768,45.127 81.575,45.127 cw(c81.575,45.227) 81.575,45.327 81.768,45.327 ccw(c81.768,45.627) 81.768,45.927 81.699,45.927 cw(c81.699,46.027) 81.599,46.027 81.599,46.177 81.599,48.824 81.858,49.083 82.318,49.543 cw(c82.389,49.472) 82.459,49.543 82.666,49.336 ccw(c82.737,49.407) 82.807,49.336 ccw(c82.737,49.407) 82.807,49.478 82.601,49.684 cw(c82.671,49.755) 82.601,49.826 82.715,49.94 82.775,50 v1(83.225,50)
DPHY_HS2_P: R2_Designator3.1 U1.F7 | length 14.5
  Top Layer w0.1: R2_Designator3.1@78.5,40.675 78.625,40.675 79.298,41.348 79.298,41.856 v1(79.191,41.962) ; U1.F7@82.7,51.475 v1(83.1,51.075)
  Bottom Layer w0.1: v1(79.191,41.962) 79.191,42.043 79.341,42.193 79.341,42.216 79.474,42.349 79.555,42.43 79.782,42.658 79.859,42.734 80.99,43.865 81.399,44.274 81.399,44.427 cw(c81.699,44.427) 81.699,44.727 81.768,44.727 ccw(c81.768,44.827) 81.768,44.927 81.575,44.927 cw(c81.575,45.227) 81.575,45.527 81.768,45.527 ccw(c81.768,45.627) 81.768,45.727 81.699,45.727 cw(c81.699,46.027) 81.399,46.027 81.399,46.177 81.399,48.907 83.1,50.608 v1(83.1,51.075)
DPHY_HS3_N: R5_Designator2.1 U1.C6 | length 17.5
  Top Layer w0.1: U1.C6@83.7,48.475 83.7,48.816 83.641,48.875 83.559,48.875 83.3,48.616 83.3,45.859 83.063,45.621 83.063,45.475 83.063,45.325 ccw(c83.163,45.325) 83.163,45.225 83.422,45.225 cw(c83.422,44.925) 83.422,44.625 82.608,44.625 ccw(c82.608,44.525) 82.608,44.425 83.422,44.425 cw(c83.422,44.125) 83.422,43.825 82.608,43.825 ccw(c82.608,43.725) 82.608,43.625 83.4,43.625 cw(c83.4,43.325) 83.4,43.025 82.608,43.025 ccw(c82.608,42.925) 82.608,42.825 83.422,42.825 cw(c83.422,42.525) 83.422,42.225 82.608,42.225 ccw(c82.608,42.125) 82.608,42.025 82.763,42.025 cw(c82.763,41.725) 83.063,41.725 83.063,41.249 83.063,41.212 83.325,40.95 83.525,40.95 R5_Designator2.1@83.85,40.625
DPHY_HS3_P: R2_Designator2.1 U1.D6 | length 17.9
  Top Layer w0.1: R2_Designator2.1@82.075,40.625 82.454,41.004 82.639,41.004 82.863,41.228 82.863,41.249 82.863,41.725 ccw(c82.763,41.725) 82.763,41.825 82.608,41.825 cw(c82.608,42.125) 82.608,42.425 83.422,42.425 ccw(c83.422,42.525) 83.422,42.625 82.608,42.625 cw(c82.608,42.925) 82.608,43.225 83.4,43.225 ccw(c83.4,43.325) 83.4,43.425 82.608,43.425 cw(c82.608,43.725) 82.608,44.025 83.422,44.025 ccw(c83.422,44.125) 83.422,44.225 82.608,44.225 cw(c82.608,44.525) 82.608,44.825 83.422,44.825 ccw(c83.422,44.925) 83.422,45.025 83.163,45.025 cw(c83.163,45.325) 82.863,45.325 82.863,45.475 82.863,45.709 83.1,45.946 83.1,48.699 83.476,49.075 83.641,49.075 83.7,49.134 U1.D6@83.7,49.475
DPHY_HS_CLK_N: R5_Designator1.1 U1.C5 | length 14.9
  Top Layer w0.1: v1(84.375,48.075) 84.7,48.4 U1.C5@84.7,48.475 ; v1(86.825,41.775) 86.61,41.56 86.61,41.215 86.825,41 87.04,41 R5_Designator1.1@87.415,40.625
  Bottom Layer w0.1: v1(84.375,48.075) 84.15,47.85 84.15,47.836 84.15,47.673 ccw(c84.25,47.673) 84.25,47.573 84.386,47.573 cw(c84.386,47.473) 84.386,47.373 84.25,47.373 ccw(c84.25,47.273) 84.25,47.173 84.386,47.173 cw(c84.386,47.073) 84.386,46.973 84.25,46.973 ccw(c84.25,46.873) 84.15,46.873 84.15,46.82 84.297,46.673 84.73,46.24 84.932,46.038 85.038,45.932 ccw(c85.109,46.003) 85.18,45.932 85.267,46.019 ; 85.259,45.022 cw(c85.33,45.093) 85.259,45.163 ; 85.26,45.022 ccw(c85.33,45.093) 85.401,45.022 85.832,45.453 cw(c86.045,45.242) 86.257,45.454 cw(c86.045,45.242) 86.257,45.03 86.17,44.943 ccw(c86.24,44.871) 86.17,44.8 86.422,44.548 86.528,44.442 86.613,44.357 86.613,44.199 86.613,44.049 ccw(c86.713,44.049) 86.713,43.949 86.749,43.949 cw(c86.749,43.649) 86.749,43.349 86.371,43.349 ccw(c86.371,43.249) 86.371,43.149 86.749,43.149 cw(c86.749,42.849) 86.749,42.549 86.713,42.549 ccw(c86.713,42.449) 86.613,42.449 86.613,42.054 86.613,41.987 v1(86.825,41.775) ; 85.26,45.164 85.692,45.596 ccw(c85.48,45.808) 85.692,46.02 ccw(c85.48,45.808) 85.267,46.019
DPHY_HS_CLK_P: R2_Designator1.1 U1.D5 | length 15.1
  Top Layer w0.1: v1(84.225,49.172) 84.306,49.172 84.609,49.475 U1.D5@84.7,49.475 ; R2_Designator1.1@85.615,40.6 86.015,41 86.175,41 86.41,41.235 86.41,41.515 v1(86.15,41.775)
  Bottom Layer w0.1: v1(84.225,49.172) 84.215,49.162 84.215,48.41 83.95,48.145 83.95,46.737 84.791,45.897 84.896,45.791 ; 84.897,45.79 ccw(c85.109,46.003) 85.321,45.791 85.408,45.878 ; 85.119,45.305 ccw(c85.33,45.093) 85.118,44.881 ccw(c85.33,45.093) 85.542,44.881 85.974,45.312 ; 85.119,45.305 85.55,45.736 ccw(c85.48,45.808) 85.551,45.878 ; 85.409,45.879 cw(c85.48,45.808) 85.55,45.879 ; 85.975,45.313 cw(c86.045,45.242) 86.115,45.313 ; 86.115,45.171 86.028,45.084 ccw(c86.24,44.871) 86.028,44.659 86.281,44.407 ; 86.116,45.171 ccw(c86.045,45.242) 86.116,45.312 ; v1(86.15,41.775) 86.413,42.038 86.413,42.054 86.413,42.449 cw(c86.713,42.449) 86.713,42.749 86.749,42.749 ccw(c86.749,42.849) 86.749,42.949 86.371,42.949 cw(c86.371,43.249) 86.371,43.549 86.749,43.549 ccw(c86.749,43.649) 86.749,43.749 86.713,43.749 cw(c86.713,44.049) 86.413,44.049 86.413,44.199 86.413,44.274 86.387,44.3 86.281,44.406
DPHY_LP_CLK_N: R6_Designator1.1 U1.B6 | length 8.9
  Top Layer w0.1: U1.B6@83.7,47.475 84.21,46.965 84.21,45.615 84.475,45.35 84.475,44.515 85.09,43.9 85.912,43.9 87.415,42.397 v1(87.415,41.85)
  Bottom Layer w0.1: R6_Designator1.1@87.415,40.625 v1@87.415,41.865
DPHY_LP_CLK_P: R1_Designator1.2 U1.A5 | length 6.3
  Top Layer w0.1: U1.A5@84.7,46.475 84.7,44.875 v1(85.325,44.25)
  Bottom Layer w0.1: v1(85.325,44.25) 85.325,40.89 R1_Designator1.2@85.615,40.6
DPHY_LP_N0: R6_Designator5.1 U1.B10 | length 11.6
  Top Layer w0.1: v1(76.125,44.775) 76.45,45.1 77.537,45.1 77.887,44.75 78.958,44.75 79.325,45.117 79.325,47.1 79.675,47.45 79.675,47.475 U1.B10@79.7,47.475
  Bottom Layer w0.1: R6_Designator5.1@73.225,40.625 73.625,41.025 73.8,41.025 74.433,41.658 74.433,42.958 76.125,44.65 v1(76.125,44.775)
DPHY_LP_N1: R6_Designator4.1 U1.E10 | length 14
  Top Layer w0.1: v1(79.3,50.011) 79.3,50.1 79.675,50.475 U1.E10@79.7,50.475
  Bottom Layer w0.1: R6_Designator4.1@76.95,40.875 76.725,40.65 76.325,41.05 76.05,41.05 75.215,41.885 75.215,42.583 75.557,42.925 76.025,42.925 76.407,43.307 77.71,43.307 79.541,45.139 79.541,49.757 79.3,49.999 v1(79.3,50.011)
DPHY_LP_N2: R6_Designator3.1 U1.C7 | length 9.6
  Top Layer w0.1: v1(80.479,41.677) 80.479,42.3 80.6,42.421 v1(80.6,42.502) ; v1@82.225,48 U1.C7@82.7,48.475
  Bottom Layer w0.1: R6_Designator3.1@80.3,40.65 80.3,40.792 80.479,40.971 v1(80.479,41.677) ; v1(80.6,42.502) 81.028,42.93 81.455,42.93 82.279,43.754 82.292,43.754 82.575,44.037 82.575,46.025 81.983,46.617 81.983,47.75 82.25,48.016 v1(82.25,48.025)
DPHY_LP_N3: R6_Designator2.1 U1.B8 | length 9.3
  Top Layer w0.1: v1@81.4,42.1 81.4,42.225 81.275,42.35 81.275,47.05 U1.B8@81.7,47.475
  Bottom Layer w0.1: v1(81.429,42.127) 83.394,42.127 83.875,41.646 R6_Designator2.1@83.875,40.625
DPHY_LP_P0: R1_Designator5.2 U1.A8 | length 17.4
  Top Layer w0.1: v1(74.03,41.875) 75.007,42.852 79.318,42.852 80.05,42.12 80.05,41.5 80.25,41.3 81.187,41.3 81.825,41.938 81.825,42.525 81.7,42.65 U1.A8@81.7,46.475
  Bottom Layer w0.1: R1_Designator5.2@71.4,40.625 71.758,40.983 71.758,41.258 72.375,41.875 v1(74.03,41.875)
DPHY_LP_P1: R1_Designator4.2 U1.A10 | length 9.7
  Top Layer w0.1: v1(77.275,44.75) 77.525,44.5 79.025,44.5 79.7,45.175 U1.A10@79.7,46.475
  Bottom Layer w0.1: R1_Designator4.2@74.925,40.65 74.7,40.875 74.7,42.745 76.705,44.75 v1(77.275,44.75)
DPHY_LP_P2: R1_Designator3.2 U1.A6 | length 10.4
  Top Layer w0.1: U1.A6@83.7,46.475 83.7,46.062 83.91,45.852 83.91,45.352 84.137,45.125 84.137,43.169 84.05,43.081 v1(84.05,43)
  Bottom Layer w0.1: R1_Designator3.2@78.5,40.675 78.75,40.925 78.75,41.2 79.05,41.5 79.807,41.5 80.357,42.05 80.79,42.05 81.242,42.502 81.832,42.502 82.234,42.904 83.954,42.904 v1(84.05,43)
DPHY_LP_P3: R1_Designator2.2 U1.A7 | length 6.1
  Top Layer w0.1: v1(82.05,41.425) 82.05,44.9 82.275,45.125 82.275,46.05 U1.A7@82.7,46.475
  Bottom Layer w0.1: R1_Designator2.2@82.05,40.625 v1(82.05,41.425)
DSI_GPIO0: J1.22 U1.C8 | length 24.1
  Top Layer w0.1: v1@81.075,41.708 81.075,47.38 81.7,48.005 U1.C8@81.7,48.475 ; J1.22@85.975,31.5 85.975,34.094 86.256,34.375 v1(87.4,34.375)
  Bottom Layer w0.1: v1(81.05,41.708) 81.05,35.571 81.321,35.3 86.433,35.3 v1@87.379,34.354
DSI_GPIO1: J1.23 U1.C11 | length 32.9
  Top Layer w0.1: v1(74.3,34.85) 74.075,35.075 74.075,40.983 73.625,41.433 73.625,41.965 74.985,43.325 v1(75.775,43.325) ; U1.C11@78.7,48.475 78.737,48.475 79.137,48.075 v1(79.175,48.075) ; J1.23@86.475,31.5 v1(86.475,33.9)
  Bottom Layer w0.1: v1(74.3,34.85) 75.025,34.125 86.25,34.125 v1@86.525,33.85 ; v1(75.775,43.325) 75.834,43.325 76.016,43.507 77.627,43.507 79.175,45.055 v1(79.175,48.075)
DSI_GPIO2: J1.24 U1.A11 | length 36.1
  Top Layer w0.1: v1(78.3,45.225) 78.675,45.6 U1.A11@78.675,46.448 ; J1.24@86.975,31.5 v1@86.975,32.814
  Bottom Layer w0.1: v1(78.3,45.225) 78.275,45.25 77.95,45.25 77.8,45.4 75.796,45.4 73.071,42.675 72.005,42.675 70.525,41.195 70.525,34.467 71.267,33.725 84.125,33.725 85.003,32.847 v1(86.975,32.847)
DSI_GPIO3: J1.25 U1.F9 | length 33
  Top Layer w0.1: v1(75.629,42.502) 76.068,42.502 77.65,40.92 v1(77.65,35.075) ; v1@80.25,51.025 U1.F9@80.7,51.475 ; J1.25@87.475,31.5 v1@87.475,32.789
  Bottom Layer w0.1: v1@75.75,42.4 75.9,42.4 76.6,43.1 77.8,43.1 79.75,45.05 79.75,50.5 v1(80.25,51) ; v1(77.65,35.075) 86.1,35.075 87.475,33.7 v1(87.475,32.8)
DSI_RESET_N: J1.21 U1.C10 | length 37.2
  Top Layer w0.1: v1(78.8,45.175) 79.125,45.5 79.125,47.43 79.7,48.005 U1.C10@79.7,48.475 ; v1(85.125,33.45) 85.125,33.4 85.475,33.05 J1.21@85.475,31.5
  Bottom Layer w0.1: v1(78.8,45.175) 78.45,44.825 77.825,44.825 77.5,45.15 76.005,45.15 73.255,42.4 72.013,42.4 70.725,41.112 70.725,34.55 71.35,33.925 84.65,33.925 v1(85.125,33.45)
EEPROM_SCL: R47.1 U1.D11 U8.1 | length 28.8
  Top Layer w0.2: v1(61.26,35.39) 61.66,34.99 63.88,34.99 70.94,42.05 71.375,42.05 73.85,44.525 75.2,44.525 76.05,45.375 76.925,45.375 v1(77.35,45.8) ; v1@78.323,49.098 U1.D11@78.7,49.475
  Bottom Layer w0.2: v1(61.26,35.39) 62.22,35.39 R47.1@62.29,35.46 62.34,35.46 62.83,35.95 63.61,35.95 64.075,35.485 64.505,35.485 U8.1@64.69,35.3 ; v1(77.35,45.8) 77.35,47.776 78.17,48.596 v1(78.17,49.06)
EEPROM_SDA: R48.1 U1.D12 U8.3 | length 21.4
  Top Layer w0.2: v1@65.35,38.125 66.415,38.125 73.14,44.85 75.075,44.85 76,45.775 v1(76.6,45.775) ; v1(77.231,48.95) 77.7,49.419 U1.D12@77.7,49.475
  Bottom Layer w0.2: R48.1@64.475,39.475 64.475,39.425 65.312,38.588 v1@65.312,38.163 ; U8.3@64.69,37.2 64.88,37.39 64.88,37.708 v1(65.312,38.14) ; v1(76.6,45.775) 77.05,46.225 77.05,47.9 77.231,48.081 v1(77.231,48.95)